# Altium PCB Elevator.PcbDoc (part 3 of 4)
Units mil, origin at the board's own origin, x right, y up, seen from the top; angles counter-clockwise.
Board outline 4974.69 x 4688.74 mil, 4 copper layers (Top Layer, Internal Plane 1, Internal Plane 2, Bottom Layer), stack 18.2 mil thick; 421 components, 308 nets, 1313 pads, 232 vias.
Unrouted connection lines stored in the file: 1.
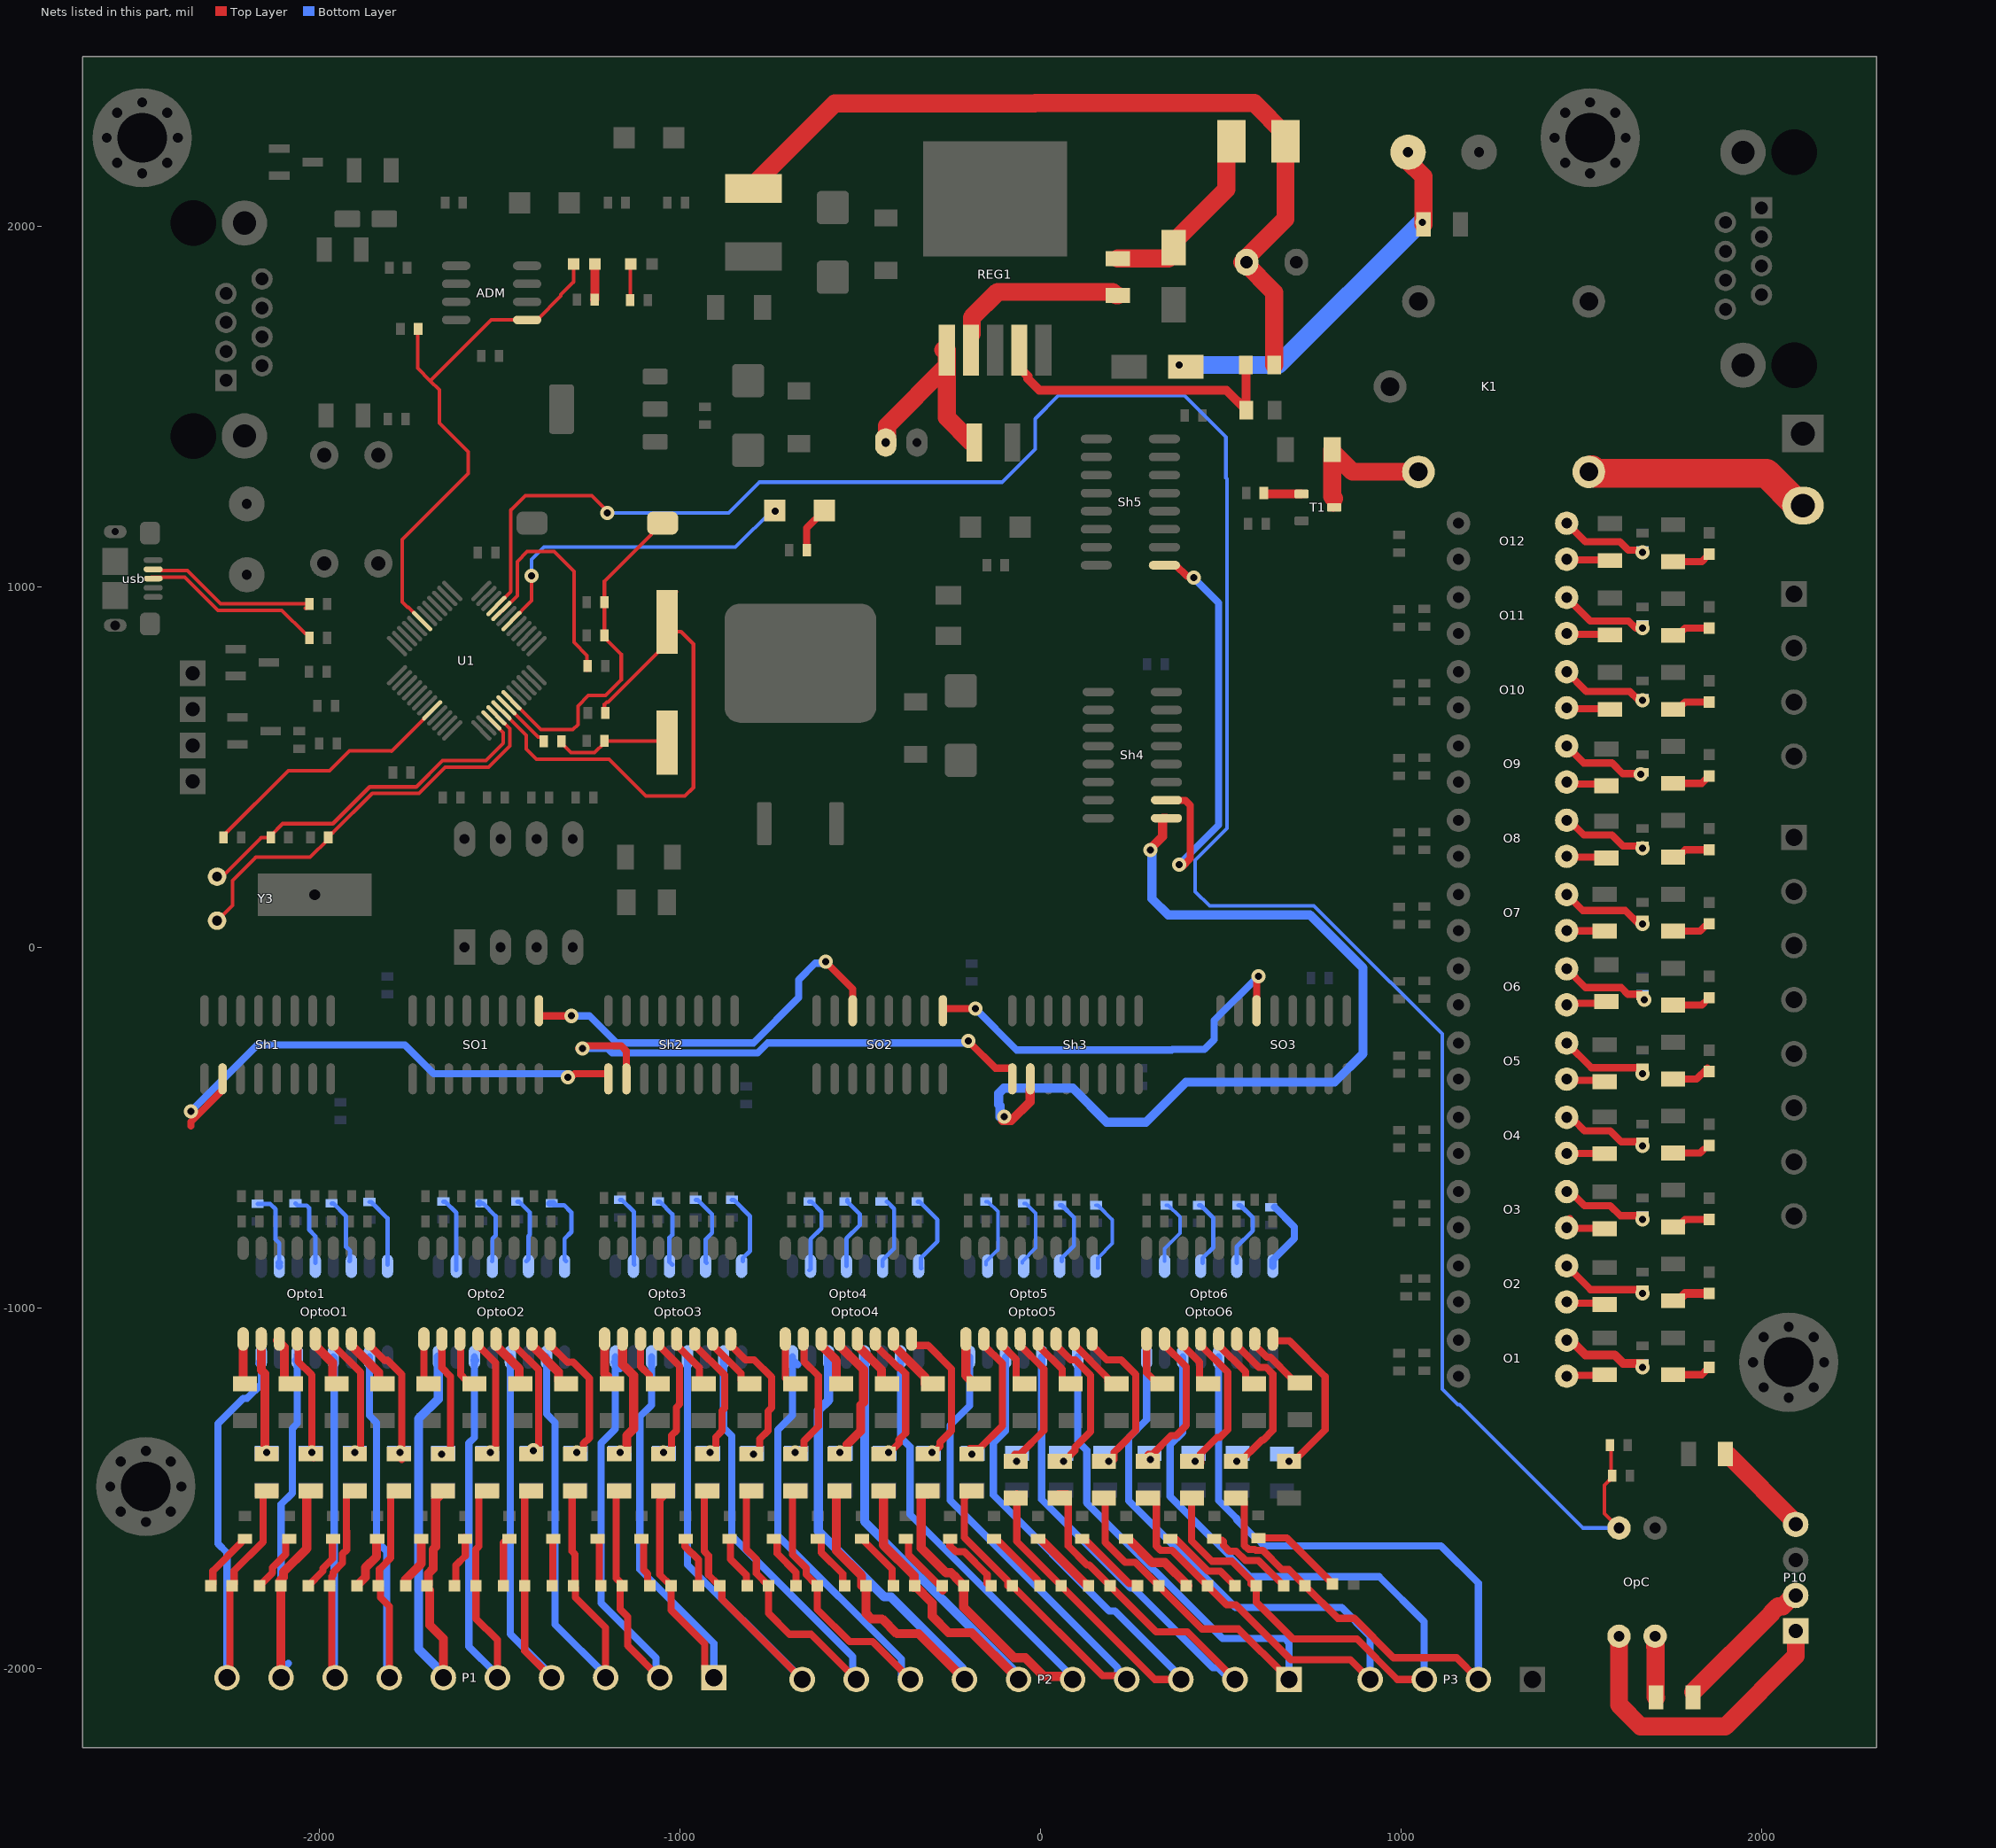
[diagram p5: the nets of this part, all layers, seen from the top]

## Via types
v1: diameter 39.37, hole 19.68, Top Layer to Bottom Layer, 154 vias
v2: diameter 39.37, hole 19.68, Top Layer to Bottom Layer, tented both sides, 76 vias
v3: diameter 78.74, hole 39.37, Top Layer to Bottom Layer, 1 vias
v4: diameter 78.74, hole 39.37, Top Layer to Bottom Layer, tented both sides, 1 vias

## Nets (pads, with @x,y where several pads share a name; then routed paths per layer and width w, separated by ;. In a path a pad name is that pad's centre, name@x,y a point inside that pad or via, vN(x,y) a via of type N, cw(c..) or ccw(c..) an arc to the next point about the centre after c; other vN are vias at no path point) (continued)
NetC1_2: C1.2 K1.2 | length 626.4
  Top Layer w80: K1.2@1530,1325 1540,1315 2013.24,1315 2103.24,1225 C1.2@2115,1225
NetC7_1: C7.1 R3.2 Y2.1 | length 326.5
  Top Layer w10: R3.2@-1327.45,571.48 -1327.45,566.55 -1300.9,540 -1235.69,540 -1208.31,567.38 C7.1@-1208.31,572.3 -1039.42,572.3 Y2.1@-1035,567.88
NetC15_1: C15.1 U1.3 Y3.1 | length 1038.1
  Top Layer w10: Y3.1@-2282.4,196.02 -2269.74,196.02 -2263.72,190 -2263.72,195.69 -2263.38,196.02 -2263.38,201.62 -2160.23,304.77 C15.1@-2133.68,304.77 -2133.68,309.69 -2100.33,343.04 -1961.35,343.04 -1859.39,445 -1730.37,445 -1657.5,517.87 -1537.45,517.87 -1488.77,566.55 -1488.77,595.85 -1521.79,628.87 U1.3@-1521.79,629.36
NetC16_2: C16.2 U1.4 Y3.2 | length 1157.9
  Top Layer w10: Y3.2@-2282.4,73.98 -2240,116.38 -2240,185 -2175,250 -2024.19,250 -1974.35,299.85 C16.2@-1974.35,304.77 -1974.35,309.69 -1967.54,316.5 -1962.62,316.5 -1851.99,427.13 -1722.87,427.13 -1650,500 -1530.05,500 -1470.9,559.15 -1470.9,606.15 -1507.88,643.12 U1.4@-1507.88,643.28
NetCF1_2: CF1.2 DM6.1 F1.2 | length 1025.7
  Top Layer w50: CF1.2@1020,2180 1062.8,2137.2 F1.2@1062.8,2005
  Bottom Layer w50: v1(385.67,1615) 660,1615 v1@1055,2010
  other v1: 1060,2010
NetCH1_2: CH1.2 OpC.4 RP2.1 U1.21 | length 6572.4
  Top Layer w10: U1.21@-1507.88,946.72 -1467.94,986.65 -1467.94,1212.61 -1427.43,1253.13 -1243.13,1253.13 v1@-1200,1210 ; CH1.2@1580,-1380 1583,-1383 1583,-1462 RP2.1@1586.01,-1465 1586.01,-1469.92 1565,-1490.93 1565,-1570 1600,-1605 OpC.4@1610,-1605
  Bottom Layer w10: v1(-1200,1205) -863.53,1205 -778.53,1290 -106.16,1290 -14.25,1381.91 -14.25,1465.75 50,1530 400,1530 515,1415 515,1302.13 517.87,1299.25 517.87,329.86 430,241.98 430,155 469.63,115.37 758.47,115.37 798.84,75 799.42,75 ; 799.42,74.42 970.37,-96.53 971.53,-96.53 1114.63,-239.63 1114.63,-1225 ; 1115,-1225 1157.87,-1267.87 1162.87,-1267.87 1505,-1610 OpC.4@1605,-1610
NetCM20_1: CM20.1 LH20.2 REG1.1 | length 555.6
  Top Layer w50: CM20.1@-425,1415 -425,1446.42 REG1.1@-258.86,1612.56 ; REG1.1@-268.31,1656.69 REG1.1@-265,1660 ; REG1.1@-258.86,1656.06 REG1.1@-258.86,1612.56 ; LH20.2@-190,1400 -258.86,1468.86 REG1.1@-258.86,1612.56
NetCM21_1: CM21.1 LH4.2 LH5.1 RN1.1 | length 2343.7
  Top Layer w50: LH5.1@-805.63,2104.49 -570.12,2340 -15.06,2340 -13.68,2341.38 593.31,2341.38 680,2254.68 LH4.2@680,2235 680,2020 CM21.1@560,1900 ; CM21.1@565,1900 648.74,1816.26 RN1.1@648.74,1615
NetCON_1: CON.1 U1.18 | length 929
  Top Layer w10: U1.18@-1466.12,904.96 -1410,961.08 v1@-1410,1025 ; v1@-1415,1020 v1@-1410,1025 ; v1(-1410,1030) v1@-1410,1025
  Bottom Layer w10: v1(-1410,1030) -1410,1076.05 -1376.05,1110 -845,1110 v1@-740,1215
  other v1: -735,1210
NetCON_2: CON.2 R4.2 | length 130.1
  Top Layer w20: R4.2@-647.3,1101.48 -647.3,1162.84 CON.2@-598.66,1211.48
NetCQQ1_1: CQQ1.1 Opto1.2 RVM1.1 | length 326.3
  Top Layer w25: Opto1.2@-2160,-1085.98 -2160,-1172.05 -2150,-1182.05 -2150,-1396.83 -2146.83,-1400 RVM1.1@-2140,-1400
  other v2: -2145,-1400
NetCQQ2_1: CQQ2.1 Opto1.4 RVM2.1 | length 347.7
  Top Layer w20: Opto1.4@-2060,-1085.98 -2057.8,-1088.18 -2057.8,-1148.22 -2020,-1186.02 -2020,-1410 RVM2.1@-2015,-1415
  other v2: -2020,-1400
NetCQQ3_1: CQQ3.1 Opto1.6 RVM3.1 | length 354.2
  Top Layer w20: Opto1.6@-1960,-1085.98 -1960,-1102.91 -1885,-1177.91 -1885,-1395 RVM3.1@-1895,-1405
  other v2: -1900,-1400
NetCQQ4_1: CQQ4.1 Opto1.8 RVM4.1 | length 376.5
  Top Layer w20: Opto1.8@-1860,-1085.98 -1860,-1102.91 -1818.32,-1144.59 -1809.48,-1144.59 -1770,-1184.07 RVM4.1@-1770,-1420
  other v2: -1775,-1400
NetCQQ5_1: CQQ5.1 Opto2.2 RVM5.1 | length 339
  Top Layer w20: Opto2.2@-1658.66,-1086.32 Opto2.2@-1659,-1085.98 -1659,-1166.01 -1635,-1190.01 -1635,-1394.33 -1635.67,-1395 RVM5.1@-1655,-1395
  other v2: -1660,-1405
NetCQQ6_1: CQQ6.1 Opto2.4 RVM6.1 | length 347.7
  Top Layer w20: Opto2.4@-1559,-1085.98 -1559,-1102.91 -1510,-1151.91 -1510,-1390 -1510.67,-1390.67 -1510.67,-1394.33 -1521.34,-1405 RVM6.1@-1525,-1405
  other v2: -1525,-1400
NetCQQ7_1: CQQ7.1 Opto2.6 RVM7.1 | length 356.3
  Top Layer w20: Opto2.6@-1459,-1085.98 -1459,-1102.91 -1390.62,-1171.3 -1390.62,-1394.33 -1391.29,-1395 RVM7.1@-1410,-1395
  other v2: -1405,-1395
NetCQQ8_1: CQQ8.1 Opto2.8 RVM8.1 | length 410.1
  Top Layer w20: Opto2.8@-1359,-1085.98 -1359,-1102.91 -1311.67,-1150.24 -1295.13,-1150.24 -1250,-1195.37 -1250,-1360 -1266.32,-1376.32 -1266.32,-1394.33 -1281.99,-1410 RVM8.1@-1300,-1410
  other v2: -1285,-1400
NetCQQ9_1: CQQ9.1 Opto3.2 RVM9.1 | length 336.4
  Top Layer w25: Opto3.2@-1158,-1085.98 -1158,-1156.66 -1127.15,-1187.51 -1127.15,-1334.69 -1146.64,-1354.19 -1146.64,-1396.83 -1149.81,-1400 RVM9.1@-1150,-1400
  other v2: -1165,-1400
NetCQQ10_1: CQQ10.1 Opto3.4 RVM10.1 | length 356.8
  Top Layer w20: Opto3.4@-1058,-1085.98 -1058,-1102.91 -1000,-1160.91 -1000,-1266.64 -1009.1,-1275.73 -1009.1,-1340.28 -1021.97,-1353.15 -1021.97,-1394.33 -1027.64,-1400 RVM10.1@-1035,-1400
  other v2: -1045,-1400
NetCQQ11_1: CQQ11.1 Opto3.6 RVM11.1 | length 387.6
  Top Layer w20: Opto3.6@-958,-1085.98 -958,-1102.91 -875,-1185.91 -875,-1277.72 -881.92,-1284.65 -881.92,-1340.28 -899.8,-1358.15 -899.8,-1394.33 -910.47,-1405 RVM11.1@-923.26,-1405 RVM11.1@-930,-1405
  other v2: -915,-1400
NetCQQ12_1: CQQ12.1 Opto3.8 RVM12.1 | length 414.7
  Top Layer w20: Opto3.8@-858,-1085.98 -858,-1102.91 -817.39,-1143.52 -793.16,-1143.52 -745,-1191.68 -745,-1276.69 -754.75,-1286.44 -754.75,-1340.28 -777.62,-1363.15 -777.62,-1394.33 -788.29,-1405 RVM12.1@-801.09,-1405 RVM12.1@-805,-1405
  other v2: -795,-1405
NetCQQ13_1: CQQ13.1 Opto4.2 RVM13.1 | length 376.5
  Top Layer w20: RVM13.1@-685,-1405 RVM13.1@-678.91,-1405 -666.12,-1405 -655.45,-1394.33 -655.45,-1368.15 -615,-1327.7 -615,-1188.02 -654.8,-1148.22 -654.8,-1088.18 Opto4.2@-657,-1085.98
  other v2: -680,-1400
NetCQQ14_1: CQQ14.1 Opto4.4 RVM14.1 | length 380.2
  Top Layer w25: Opto4.4@-557,-1085.98 -557,-1104 -490,-1171 -490,-1261.03 -497.9,-1268.93 -497.9,-1341.31 -535.77,-1379.19 -535.77,-1396.83 -543.94,-1405 RVM14.1@-555,-1405
  other v2: -555,-1400
NetCQQ15_1: CQQ15.1 Opto4.6 RVM15.1 | length 363.3
  Top Layer w20: Opto4.6@-457,-1085.98 -457,-1102.91 -393.81,-1166.11 -389.05,-1166.11 -373.23,-1181.93 -373.23,-1347 -391.6,-1365.38 -391.6,-1374.83 -411.1,-1394.33 RVM15.1@-411.1,-1396.1
  other v2: -420,-1400
NetCQQ16_1: CQQ16.1 Opto4.8 RVM16.1 | length 417.1
  Top Layer w20: Opto4.8@-357,-1085.98 -357,-1098.44 -351.69,-1103.75 -311.25,-1103.75 -246.05,-1168.95 -246.05,-1340.28 -278.09,-1372.32 -278.09,-1383.5 -289.6,-1395 RVM16.1@-310,-1395
  other v2: -300,-1400
NetCQQ17_1: CQQ17.1 Opto5.2 RVM17.1 | length 380
  Top Layer w20: RVM17.1@-195,-1390 -168.6,-1390 -105,-1326.4 -105,-1153.91 -156,-1102.91 Opto5.2@-156,-1085.98 Opto5.2@-154.53,-1087.45
  other v2: -190,-1405
NetCQQ18_1: CQQ18.1 Opto5.4 RVM18.1 | length 388.1
  Top Layer w20: RVM18.1@-70,-1405 -68.04,-1405 -55.25,-1405 10,-1339.75 10,-1168.91 -56,-1102.91 Opto5.4@-56,-1085.98
  other v2: -65,-1425
NetCQQ19_1: CQQ19.1 Opto5.6 RVM19.1 | length 415.1
  Top Layer w20: Opto5.6@44,-1085.98 44,-1102.91 84.77,-1143.69 97.23,-1143.69 140,-1186.46 140,-1342.47 97.09,-1385.38 97.09,-1394.83 70,-1421.93 RVM19.1@70,-1425
  other v2: 65,-1425
NetCQQ20_1: CQQ20.1 Opto5.8 RVM20.1 | length 432.2
  Top Layer w20: Opto5.8@144,-1085.98 144,-1102.91 184.61,-1143.52 224.24,-1143.52 265,-1184.28 265,-1339.65 219.27,-1385.38 219.27,-1385.73 205,-1400 RVM20.1@205,-1420
  other v2: 190,-1425
NetCQQ21_1: CQQ21.1 Opto6.2 RVM21.1 | length 402.1
  Top Layer w20: RVM21.1@300,-1405 311.27,-1405 362.69,-1353.58 376.51,-1353.58 405,-1325.09 405,-1162.91 345,-1102.91 Opto6.2@345,-1085.98
  other v2: 305,-1420
NetCQQ22_1: CQQ22.1 Opto6.4 RVM22.1 | length 411
  Top Layer w20: RVM22.1@445,-1430 445,-1403.99 490.41,-1358.58 498.69,-1358.58 520,-1337.27 520,-1177.91 445,-1102.91 Opto6.4@445,-1085.98
  other v2: 430,-1425
NetCQQ23_1: CQQ23.1 Opto6.6 RVM23.1 | length 451.3
  Top Layer w20: RVM23.1@540,-1435 545.62,-1435 614.57,-1366.05 618.4,-1366.05 645,-1339.44 645,-1182.76 626.65,-1164.41 606.5,-1164.41 545,-1102.91 Opto6.6@545,-1085.98
  other v2: 545,-1425
NetCQQ24_1: CQQ24.1 Opto6.8 RVM24.1 | length 454.9
  Top Layer w20: Opto6.8@645,-1085.98 649.76,-1090.75 690.75,-1090.75 790,-1190 790,-1337.8 707.8,-1420 RVM24.1@705,-1420
  other v2: 690,-1425
NetCQQ25_2: CQQ25.2 O1.2 RUX1.2 | length 238.6
  Top Layer w25: O1.2@1460,-1085 1466.85,-1085 1511.85,-1130 1592.95,-1130 1616.25,-1153.3 1669.31,-1153.3 RUX1.2@1670,-1153.99
  other v1: 1670,-1165
NetCQQ26_2: CQQ26.2 O2.2 RUX2.2 | length 232.4
  Top Layer w20: O2.2@1460,-895 1471.96,-895 1525.95,-948.99 RUX2.2@1670,-948.99
  other v1: 1670,-960
NetCQQ27_2: CQQ27.2 O3.2 RUX3.2 | length 245
  Top Layer w20: O3.2@1450,-690 1453.16,-686.84 1479.67,-686.84 1509.16,-716.34 1580.75,-716.34 1608.4,-743.99 RUX3.2@1670,-743.99
  other v1: 1670,-755
NetCQQ28_2: CQQ28.2 O4.2 RUX4.2 | length 234.6
  Top Layer w20: O4.2@1460,-480 1460.21,-479.79 1480.79,-479.79 1509.54,-508.54 1580.75,-508.54 1611.2,-538.99 RUX4.2@1670,-538.99
  other v1: 1670,-550
NetCQQ29_2: CQQ29.2 O5.2 RUX5.2 | length 243.6
  Top Layer w20: O5.2@1455,-265 1459.75,-265 O5.2@1460,-265.25 1528.41,-333.66 1669.67,-333.66 RUX5.2@1670,-333.99
  other v1: 1670,-350
NetCQQ30_2: CQQ30.2 O6.2 RUX6.2 | length 234.3
  Top Layer w20: O6.2@1460,-59.32 1512.14,-111.46 1610.87,-111.46 1629.41,-130 RUX6.2@1665,-130
  other v1: 1675,-145
NetCQQ31_2: CQQ31.2 O7.2 RUX7.2 | length 233.8
  Top Layer w20: O7.2@1460,146.61 1504.19,102.42 1622.58,102.42 RUX7.2@1660,65
  other v1: 1670,65
NetCQQ32_2: CQQ32.2 O8.2 RUX8.2 | length 234.3
  Top Layer w20: O8.2@1470,355 1470,348.76 1507.3,311.46 1585.75,311.46 1616.2,281.01 RUX8.2@1670,281.01
  other v1: 1670,275
NetCQQ33_2: CQQ33.2 O9.2 RUX9.2 | length 239.6
  Top Layer w20: O9.2@1460,558.48 1507.02,511.46 1585.75,511.46 1615.31,481.89 1658.11,481.89 RUX9.2@1665,475
  other v1: 1665,480
NetCQQ34_2: CQQ34.2 O10.2 RUX10.2 | length 232.9
  Top Layer w20: O10.2@1460,764.41 1514.41,710 1635,710 RUX10.2@1660,685
  other v1: 1670,685
NetCQQ35_2: CQQ35.2 O11.2 RUX11.2 | length 243.1
  Top Layer w20: O11.2@1460,965 1465.34,965 1525.37,904.97 1631.34,904.97 1651.31,885 v1(1670,885)
NetCQQ36_2: CQQ36.2 O12.2 RUX12.2 | length 241.6
  Top Layer w20: O12.2@1460,1176.27 1511.27,1125 1607.21,1125 1630.4,1101.81 1668.19,1101.81 RUX12.2@1670,1100
  other v1: 1670,1095
NetDM3_2: DM3.2 F3.1 LH4.1 | length 542.9
  Top Layer w50: F3.1@215,1910 355.75,1910 365,1919.25 DM3.2@365,1955 ; DM3.2@370,1940 370,1955.75 516.02,2101.77 516.02,2206.02 LH4.1@535,2225
NetDP15_1: DP15.1 K1.5 T1.3 | length 418.8
  Top Layer w25: T1.3@812.6,1220.69 812.6,1247.4
  Top Layer w50: DP15.1@809.92,1380 809.92,1250.08 812.6,1247.4 815,1245 ; DP15.1@815,1370 866.22,1318.78 K1.5@1048.74,1318.78
NetF3_2: F3.2 REG1.2 | length 482.7
  Top Layer w50: REG1.2@-189.57,1701.93 -189.57,1746.41 -118.3,1817.68 200.99,1817.68 210.87,1807.8 F3.2@215,1807.8
NetF5_1: F5.1 P10.4 | length 266.6
  Top Layer w50: F5.1@1910,-1410 2095,-1595 P10.4@2095,-1600
NetL1_1: L1.1 RR1.2 | length 177.8
  Top Layer w20: L1.1@-2305,-1770 L1.1@-2300,-1770 -2294.25,-1764.25 -2294.25,-1729.25 -2214.69,-1649.69 -2214.69,-1643.78 -2210.91,-1640 RR1.2@-2205,-1640
NetL2_1: L2.1 RR2.2 | length 167.4
  Top Layer w20: L2.1@-2164.76,-1770 -2128.89,-1734.13 -2128.89,-1719.61 -2092.51,-1683.23 -2092.51,-1643.78 -2088.73,-1640 RR2.2@-2082.83,-1640
NetL3_1: L3.1 RR3.2 | length 158.8
  Top Layer w20: L3.1@-2029.52,-1770 -1988.66,-1729.13 -1988.66,-1721.69 -1962.48,-1695.5 -1962.48,-1642.48 RR3.2@-1960,-1640
NetL4_1: L4.1 RR4.2 | length 147.5
  Top Layer w25: L4.1@-1894.29,-1770 -1871.35,-1747.07 -1871.35,-1720.44 -1840,-1689.09 RR4.2@-1840,-1645
NetL5_1: L5.1 RR5.2 | length 133.1
  Top Layer w25: L5.1@-1760,-1755 -1760,-1752.9 -1716.3,-1709.2 -1716.3,-1655.79 RR5.2@-1716.3,-1640
NetL6_1: L6.1 RR6.2 | length 146.4
  Top Layer w20: L6.1@-1623.81,-1770 -1620.18,-1766.37 -1620.18,-1713.26 -1594.13,-1687.21 RR6.2@-1594.13,-1640 RR6.2@-1597.07,-1637.07
NetL7_1: L7.1 RR7.2 | length 133.6
  Top Layer w20: L7.1@-1488.57,-1770 -1488.57,-1650.71 -1480,-1642.14 RR7.2@-1480,-1640
NetL8_1: L8.1 RR8.2 | length 131.4
  Top Layer w20: L8.1@-1350,-1770 -1351.56,-1768.44 -1351.56,-1641.78 RR8.2@-1349.78,-1640
NetL9_1: L9.1 RR9.2 | length 133.7
  Top Layer w20: RR9.2@-1227.61,-1640 -1226.63,-1640 -1222.85,-1643.78 -1222.85,-1767.15 L9.1@-1220,-1770
NetL10_1: L10.1 RR10.2 | length 145.3
  Top Layer w20: RR10.2@-1105.43,-1640 -1099.53,-1640 -1100,-1640.47 -1100,-1725.78 -1088.61,-1737.17 -1088.61,-1764.25 L10.1@-1082.86,-1770 L10.1@-1085,-1770
NetL11_1: L11.1 RR11.2 | length 140.5
  Top Layer w20: RR11.2@-985,-1645 -985,-1660.74 -947.62,-1698.12 -947.62,-1751.8 L11.1@-947.62,-1770
NetL12_1: L12.1 RR12.2 | length 139.1
  Top Layer w20: RR12.2@-861.09,-1640 -859,-1642.09 -859,-1696.3 -815,-1740.3 L12.1@-815,-1760
NetL13_1: L13.1 RR13.2 | length 156.5
  Top Layer w20: RR13.2@-738.91,-1640 -733.01,-1640 -729.23,-1643.78 -729.23,-1680.93 -677.15,-1733.01 -677.15,-1764.25 -677.89,-1765 L13.1@-680,-1765
NetL14_1: L14.1 RR14.2 | length 164.5
  Top Layer w20: RR14.2@-616.74,-1640 -610.83,-1640 -607.05,-1643.78 -607.05,-1677.77 -547.66,-1737.17 -547.66,-1764.25 L14.1@-541.91,-1770
NetL15_1: L15.1 RR15.2 | length 152.4
  Top Layer w20: RR15.2@-485,-1650 -410.75,-1724.25 -410.75,-1765.92 L15.1@-406.67,-1770
NetL16_1: L16.1 RR16.2 | length 189.3
  Top Layer w20: RR16.2@-372.39,-1640 -369.09,-1640 -365.31,-1643.78 -365.31,-1683.78 -270,-1779.09 L16.1@-270,-1785
NetL17_1: L17.1 RR17.2 | length 188.1
  Top Layer w20: RR17.2@-250.22,-1640 -250.22,-1659.32 -233.91,-1675.63 -210.55,-1675.63 -147.13,-1739.06 -147.13,-1764.25 -141.94,-1764.25 -141.19,-1765 L17.1@-140,-1765
NetL18_1: L18.1 RR18.2 | length 191.5
  Top Layer w20: RR18.2@-128.04,-1640 -122.14,-1640 -6.7,-1755.43 -6.7,-1768.3 L18.1@0,-1775
NetL19_1: L19.1 RR19.2 | length 187.6
  Top Layer w25: RR19.2@-5.87,-1640 0.04,-1640 125.04,-1765 L19.1@130,-1765
NetL20_1: L20.1 RR20.2 | length 207.5
  Top Layer w20: RR20.2@116.3,-1640 122.21,-1640 246.46,-1764.25 264.25,-1764.25 L20.1@270,-1770
NetL21_1: L21.1 RR21.2 | length 225.4
  Top Layer w25: RR21.2@238.48,-1640 244.38,-1640 310.02,-1705.64 345.64,-1705.64 L21.1@410,-1770
NetL22_1: L22.1 RR22.2 | length 238.2
  Top Layer w20: RR22.2@360.65,-1640 360.99,-1640.34 375.34,-1640.34 465,-1730 500,-1730 L22.1@540,-1770 L22.1@540,-1775
NetL23_1: L23.1 RR23.2 | length 254.9
  Top Layer w20: RR23.2@482.83,-1640 486.61,-1643.78 503.78,-1643.78 507.74,-1647.74 507.74,-1657.74 524.25,-1674.25 543.1,-1674.25 569.1,-1700.25 605.49,-1700.25 670,-1764.77 L23.1@670,-1775
NetL24_1: L24.1 RR24.2 | length 257.9
  Top Layer w20: RR24.2@605,-1637.99 683.46,-1637.99 810,-1764.53 L24.1@810,-1765
NetL25_1: L25.1 RR25.2 | length 106.2
  Top Layer w20: RR25.2@1755,-1185 1834.53,-1185 1849.53,-1170 L25.1@1855,-1170
NetL26_1: L26.1 RR26.2 | length 103.5
  Top Layer w25: RR26.2@1760,-980 1767.8,-980 1788.27,-959.53 L26.1@1855,-959.53
NetL27_1: L27.1 RR27.2 | length 101.4
  Top Layer w20: RR27.2@1760,-770 1772.8,-770 1788.27,-754.53 L27.1@1855,-754.53
NetL28_1: L28.1 RR28.2 | length 96.2
  Top Layer w20: RR28.2@1755,-570 1830,-570 L28.1@1840,-560 ; L28.1@1850,-554.53 L28.1@1855,-549.53
NetL29_1: L29.1 RR29.2 | length 107.4
  Top Layer w20: RR29.2@1755,-365 1820,-365 L29.1@1850,-335
NetL30_1: L30.1 RR30.2 | length 105.9
  Top Layer w20: RR30.2@1755,-160 1834.53,-160 1850,-144.53 L30.1@1850,-140
NetL31_1: L31.1 RR31.2 | length 96.2
  Top Layer w20: RR31.2@1755,45 1830,45 L31.1@1845,60
NetL32_1: L32.1 RR32.2 | length 94.3
  Top Layer w20: RR32.2@1765,260 1777.8,260 1788.27,270.47 L32.1@1855,270.47
NetL33_1: L33.1 RR33.2 | length 106.2
  Top Layer w20: RR33.2@1755,455 1834.53,455 1849.53,470 L33.1@1855,470
NetL34_1: L34.1 RR34.2 | length 91.4
  Top Layer w20: RR34.2@1770,665 1772.8,665 1788.27,680.47 L34.1@1855,680.47
NetL35_1: L35.1 RR35.2 | length 87.7
  Top Layer w20: RR35.2@1775,870 1775,872.2 1788.27,885.47 L35.1@1855,885.47
NetL36_1: L36.1 RR36.2 | length 105.9
  Top Layer w20: RR36.2@1755,1070 1834.53,1070 1850,1085.47 L36.1@1850,1090
NetO1_1: O1.1 RU1.2 | length 92.1
  Top Layer w20: O1.1@1475,-1190 1478.01,-1186.99 1563.01,-1186.99 RU1.2@1565,-1185
NetO2_1: O2.1 RU2.2 | length 115
  Top Layer w20: O2.1@1455,-995 1463.48,-986.52 1561.52,-986.52 RU2.2@1565,-990
NetO3_1: O3.1 RU3.2 | length 126.7
  Top Layer w20: O3.1@1465,-785 1471.44,-778.56 1563.56,-778.56 RU3.2@1565,-780 ; O3.1@1468.61,-752.1 1468.61,-773.61 O3.1@1470,-775